# Altium PCB H7-Core.PcbDoc
Units mm, origin at the board's own origin, x right, y up, seen from the top; angles counter-clockwise.
Board outline 50 x 30 mm, 2 copper layers (Top Layer, Bottom Layer), stack 1.58 mm thick; 60 components, 102 nets, 422 pads, 203 vias.
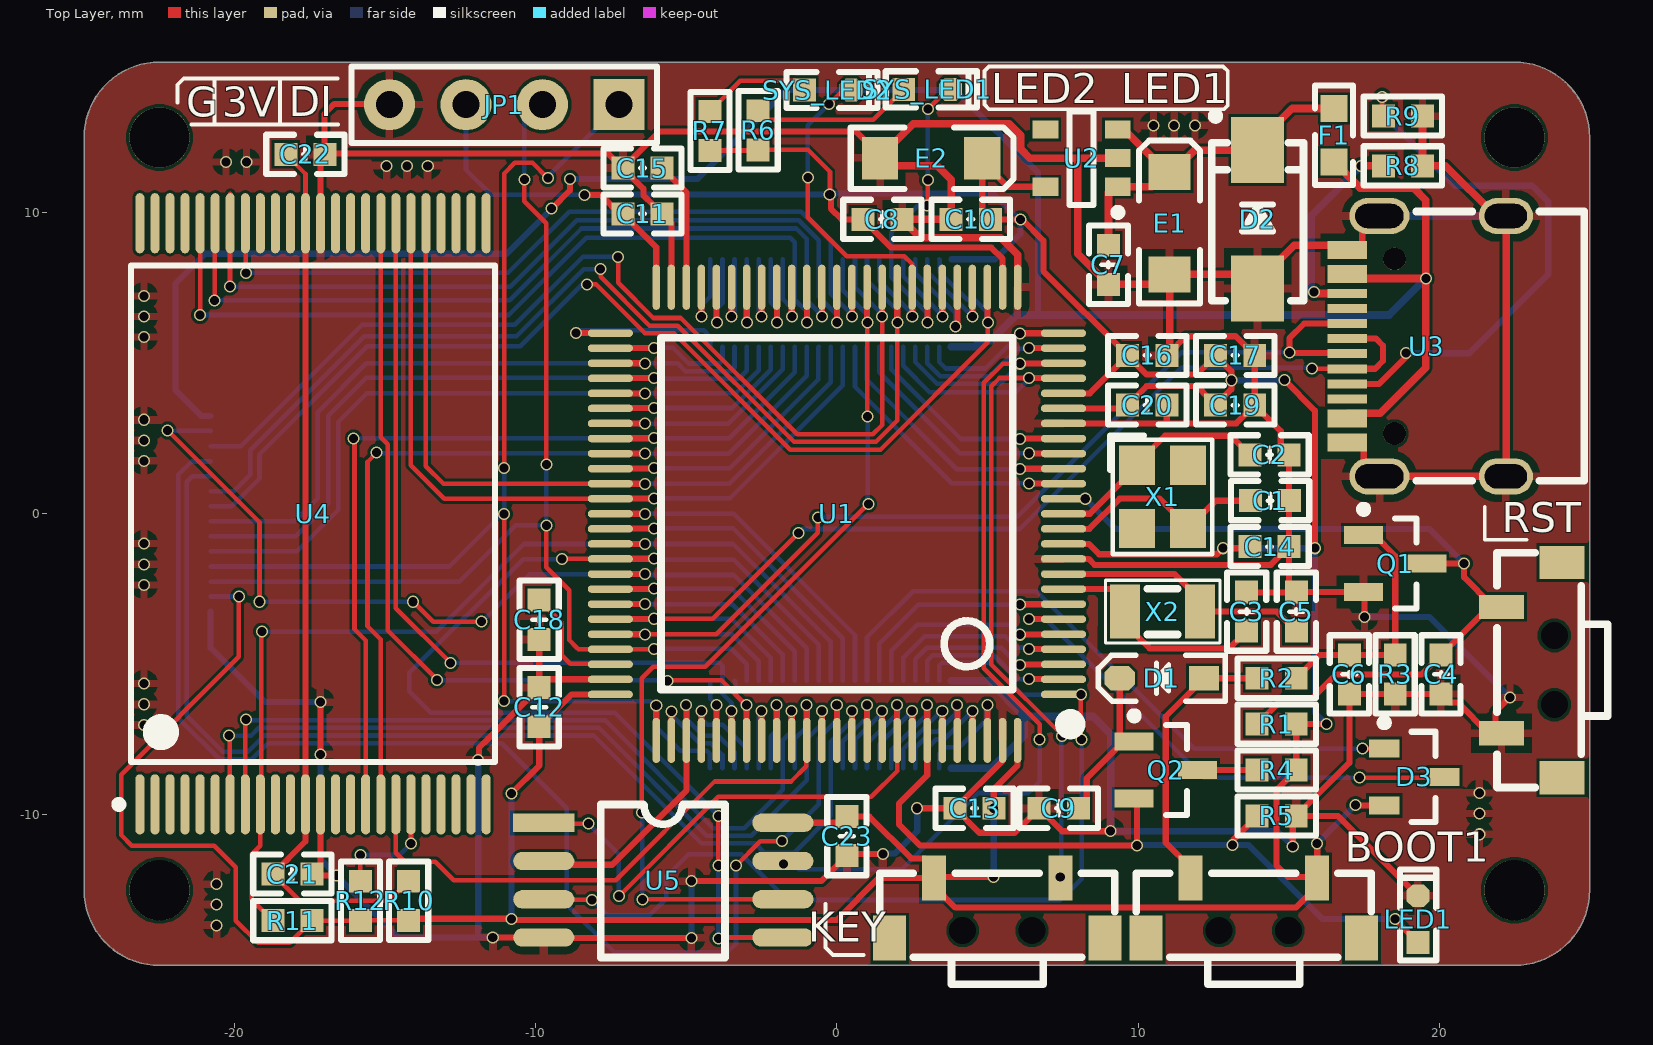
[diagram p0: Top Layer view]
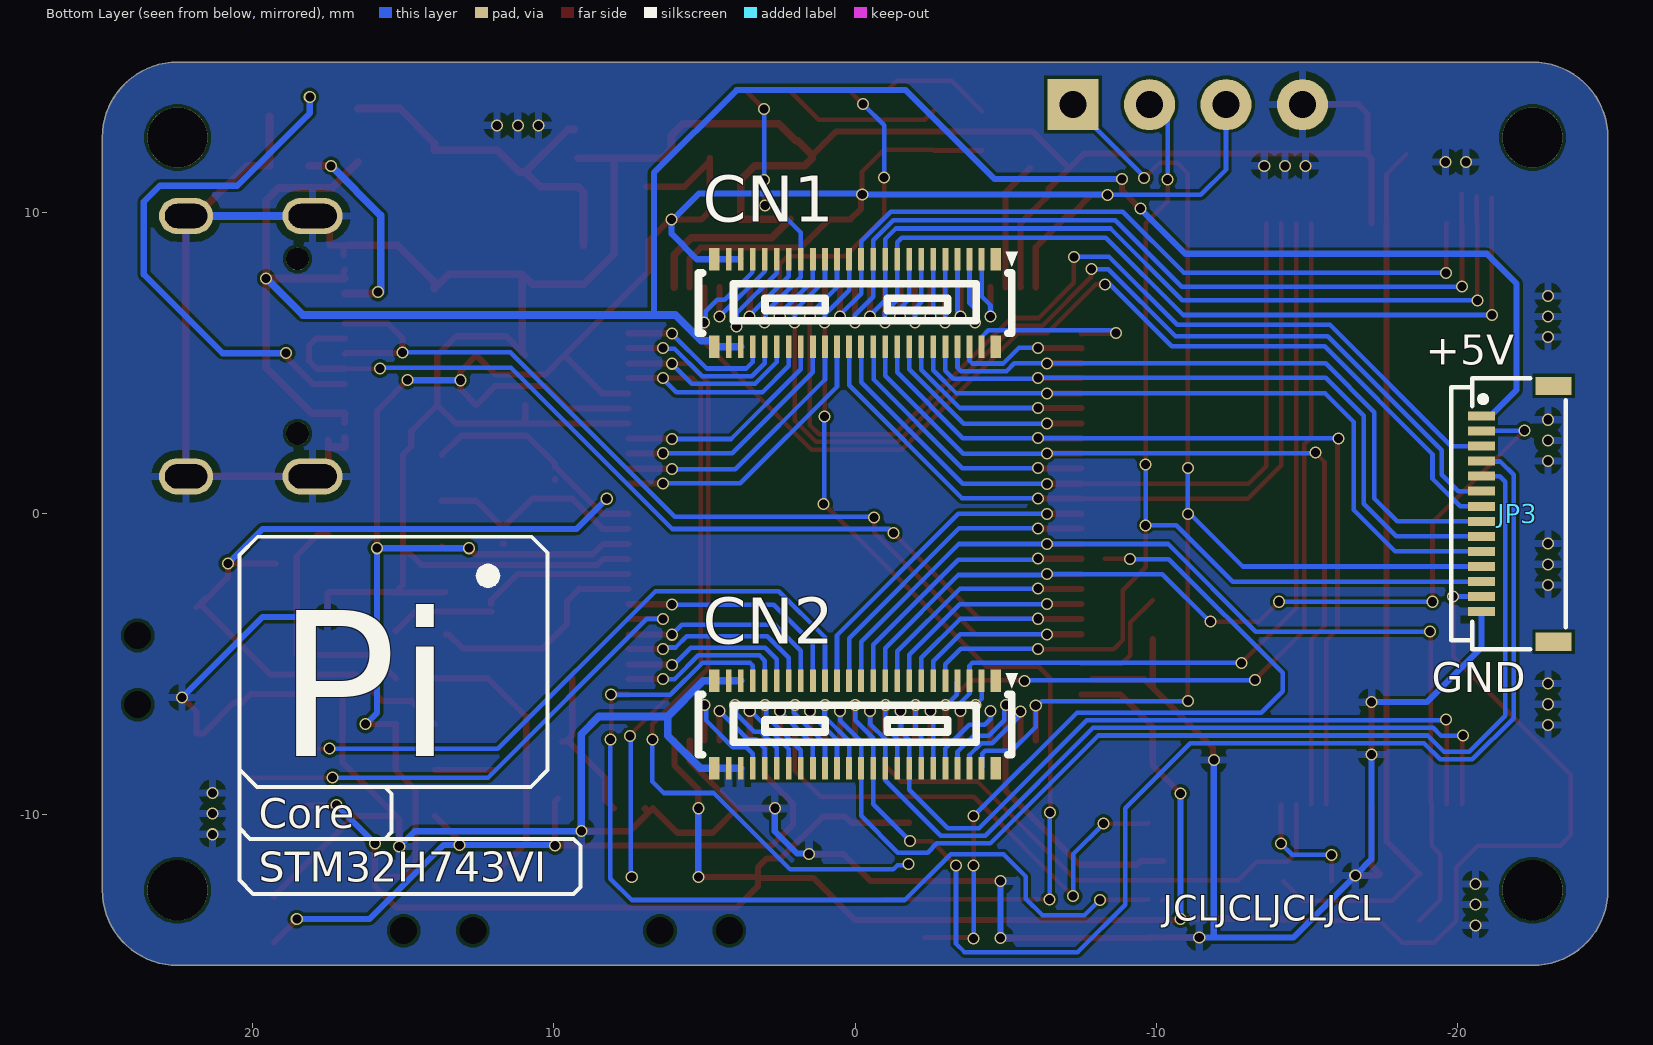
[diagram p1: Bottom Layer view, seen from below]

## Layer stack, top to bottom
Top Solder: solder mask 0.0102, Solder Resist, Dk 3.5
Top Layer: signal copper 0.0356
Dielectric 1: dielectric 1.5086, FR-4, Dk 4.8
Bottom Layer: signal copper 0.0356
Bottom Solder: solder mask 0.0102, Solder Resist, Dk 3.5

## Board outline
-25,-12.5 -25,12.5 cw(c-22.5,12.5) -22.5,15 22.5,15 cw(c22.5,12.5) 25,12.5 25,-12.5 cw(c22.5,-12.5) 22.5,-15 -22.5,-15 cw(c-22.5,-12.5)

## Design rules (kind name [scope] priority, off if disabled: settings)
Clearance [All] p1: gap=0.102 ignorepadtopadclearanceinfootprint=TRUE
HoleSize [All] p1: absolutevalues=TRUE maxlimit=20.32 minlimit=0.025 maxpercent=80.000 minpercent=20.000
HoleToHoleClearance [All] p1: gap=0.025 allowstackedmicrovias=TRUE
MinimumSolderMaskSliver [All] p1: minsoldermaskwidth=0.025
PolygonConnect [All] p1: connectstyle=Relief reliefconductorwidth=0.254 reliefentries=4 polygonreliefangle="90 Angle" airgapwidth=0.254
RoutingVias [All] p1: holewidth=0.3 width=0.4 viastyle="Through Hole" minholewidth=0.3 minwidth=0.4 maxholewidth=0.4 maxwidth=0.5
SilkToSilkClearance [All] p1: silktosilkclearance=0.025
SilkToSolderMaskClearance [IsPad] p1: minsilkscreentomaskgap=0.025 clearancetoexposedcopper=TRUE
SolderMaskExpansion [All] p1: expansion=0.102 istentingtop=FALSE
Width [All] p1: maxlimit=0.381 minlimit=0.152 preferedwidth=0.152
25 further rules are at their usual default settings.

## Components (designator, comment, footprint, x,y, rotation, side; value= is the part's Value field where it differs from the comment)
BOOT1 "3x6x5" "SW 3*6*4.3-S-W" 13.843,-13.843 r0 top locked
C1 "22pF" C0603_L 14.385,0.435 r180 top
C2 "22pF" C0603_L 14.37,1.959 r180 top
C3 "6pF" C0603_L 13.608,-3.248 r270 top
C4 "0.1uF" C0603_L 20.066,-5.334 r270 top
C5 "6pF" C0603_L 15.259,-3.248 r270 top
C6 "0.1uF" C0603_L 17.018,-5.334 r270 top
C7 "0.1uF" C0603_L 9.017,8.27 r90 top
C8 "0.1uF" C0603_L 1.509,9.779 r180 top
C9 "0.1uF" C0603_L 7.366,-9.779 r180 top
C10 "0.1uF" C0603_L 4.445,9.779 r0 top
C11 "0.1uF" C0603_L -6.458,9.96 r180 top
C12 "0.1uF" C0603_L -9.887,-6.423 r270 top
C13 "0.1uF" C0603_L 4.572,-9.779 r0 top
C14 "0.1uF" C0603_L 14.37,-1.089 r180 top
C15 "2.2uF" C0603_L -6.458,11.484 r0 top
C16 "1uF" C0603_L 10.306,5.261 r180 top
C17 "0.1uF" C0603_L 13.227,5.261 r180 top
C18 "2.2uF" C0603_L -9.887,-3.517 r90 top
C19 "2.2uF" C0603_L 13.227,3.61 r0 top
C20 "0.1uF" C0603_L 10.306,3.61 r0 top
C21 "0.1uF" C0603_L -18.085,-11.963 r180 top
C22 "0.1uF" C0603_L -17.653,11.938 r180 top
C23 "0.1uF" C0603_L 0.33,-10.704 r270 top
CN1 "DF40C-44DP-0.4V(51)" DF40C-44DP-0.4V 0,7 r0 bottom locked
CN2 "DF40C-44DP-0.4V(51)" DF40C-44DP-0.4V 0,-7 r0 bottom locked
D1 "1N4148" SOD-323 10.792,-5.461 r180 top
D2 "SS14" SMA 13.97,9.779 r90 top
D3 "BAT54C" SOT23-3L 19.177,-8.738 r0 top
E1 "10uF" C_3216 11.049,9.652 r270 top
E2 "10uF/16V" C_3216 3.126,11.811 r180 top
F1 "MSMD200-8V 1A" "FU 0603" 16.51,12.573 r90 top
JP1 "HDR-1X4" HDR2.54-LI-4P -11.049,13.589 r180 top
JP3 "FH34SRJ-14S-0.5SH(50)" FH34SRJ-14S-0.5SH(50) -22,0 r90 bottom locked
KEY "3x6x5" "SW 3*6*4.3-S-W" 5.327,-13.843 r0 top locked
LED1 "红色" LED0603_B 19.304,-13.462 r90 top
Q1 "SS8050" SOT23-3N 18.542,-1.651 r0 top
Q2 "SS8050" SOT23-3N 10.922,-8.509 r0 top
R1 "10K" R0603_L 14.605,-6.985 r180 top
R2 "10K" R0603_L 14.605,-5.461 r0 top
R3 "10K" R0603_L 18.542,-5.334 r90 top
R4 "1K" R0603_L 14.605,-8.509 r0 top
R5 "10K" R0603_L 14.605,-10.033 r0 top
R6 "1.2K" R0603_L -2.616,12.736 r270 top
R7 "1.2K" R0603_L -4.216,12.715 r270 top
R8 "5.1K" R0603_L 18.796,11.557 r0 top
R9 "5.1K" R0603_L 18.796,13.208 r180 top
R10 "0R" R0603_L -14.224,-12.852 r270 top
R11 "10K" R0603_L -18.085,-13.513 r180 top
R12 "10K" R0603_L -15.824,-12.852 r270 top
RST "3x6x5" "SW 3*6*4.3-S-W" 23.825,-5.189 r90 top locked
SYS_LED1 "红色" LED0603_G 2.997,14.097 r0 top
SYS_LED2 "绿色" LED0603_G -0.305,14.072 r0 top
U1 "STM32H743VIT6" LQFP-100 0,0 r90 top locked
U2 "SPX3819" SOT23-5L 8.128,11.811 r180 top
U3 "TYPE-C-31-M-12" TYPE-C-31-M-12 18.017,9.892 r90 top locked
U4 "MT29F4G08ABAEAWP:E" TSOP-48 -17.399,0 r90 top locked
U5 "W25Q128JVSIQ" SOIC-8W -5.766,-12.167 r0 top locked
X1 "25M" "OSC 3225-4P" 10.814,0.562 r270 top
X2 "32.768KHz" SMD3215-2P 10.814,-3.248 r180 top

## Footprints (in the part's own frame and the unit in brackets; to place one, negate y for a bottom-side part, rotate by r counter-clockwise, add the part's x,y. Pads: shape width x height; smd on the part's side, far side on the other; paste and mask are expansions set on the pad)
C0603_L [mil] "锟睫硷拷锟斤拷锟斤拷片锟斤拷锟斤拷"
  rect 30x30 smd: 1(-25.59,0) 2(25.59,0)
  silkscreen extent -51,-26 51,26, body extent -31,-16 32,16, height 33
C_3216 [mm] "A锟斤拷锟斤拷片锟斤拷锟斤拷锟?锟斤拷3.2mm锟斤拷锟斤拷1.6mm锟斤拷锟斤拷1.6mm"
  rect 1.2x1.4 smd: 1(-1.7,0) 2(1.7,0)
  silkscreen extent -2.74,-1.02 2.67,1.02, body extent -1.6,-0.8 1.6,0.8, height 1.63
DF40C-44DP-0.4V [mm]
  rect 0.19x0.75 smd: 1(-4.2,-1.455) 2(-4.2,1.455) 3(-3.8,-1.455) 4(-3.8,1.455) 5(-3.4,-1.455) 6(-3.4,1.455) 7(-3,-1.455) 8(-3,1.455) 9(-2.6,-1.455) 10(-2.6,1.455) 11(-2.2,-1.455) 12(-2.2,1.455) 13(-1.8,-1.455) 14(-1.8,1.455) 15(-1.4,-1.455) 16(-1.4,1.455) 17(-1,-1.455) 18(-1,1.455) 19(-0.6,-1.455) 20(-0.6,1.455) 21(-0.2,-1.455) 22(-0.2,1.455) 23(0.2,-1.455) 24(0.2,1.455) 25(0.6,-1.455) 26(0.6,1.455) 27(1,-1.455) 28(1,1.455) 29(1.4,-1.455) 30(1.4,1.455) 31(1.8,-1.455) 32(1.8,1.455) 33(2.2,-1.455) 34(2.2,1.455) 35(2.6,-1.455) 36(2.6,1.455) 37(3,-1.455) 38(3,1.455) 39(3.4,-1.455) 40(3.4,1.455) 41(3.8,-1.455) 42(3.8,1.455) 43(4.2,-1.455) 44(4.2,1.455)
  rect 0.35x0.75 smd: 45(4.675,-1.455) 46(4.675,1.455) 47(-4.675,1.455) 48(-4.675,-1.455)
  silkscreen extent -5.4,-1.7 5.2,1, body extent -5.16,-1.48 5.16,1.49, height 1.14
FH34SRJ-14S-0.5SH(50) [mm]
  rect 0.3x0.9 smd: 1(3.25,1.2) 2(2.75,1.2) 3(2.25,1.2) 4(1.75,1.2) 5(1.25,1.2) 6(0.75,1.2) 7(0.25,1.2) 8(-0.25,1.2) 9(-0.75,1.2) 10(-1.25,1.2) 11(-1.75,1.2) 12(-2.25,1.2) 13(-2.75,1.2) 14(-3.25,1.2)
  rect 0.6x1.2 smd: 15(-4.25,-1.2) 16(4.25,-1.2)
  silkscreen extent -4.5,-1.6 4.5,2.2, body extent -4.5,-1.8 4.5,2, height 1
"FU 0603" [mil]
  rect 35x35 smd: 1(-35,0) 2(35,0)
  silkscreen extent -65,-25 65,25, body extent -31,-16 32,16, height 20
HDR2.54-LI-4P [mm]
  rect 1.7x1.7 hole 0.9: 1(-3.81,0)
  round 1.7 hole 0.9: 2(-1.27,0) 3(1.27,0) 4(3.81,0)
  silkscreen extent -5.08,-1.27 5.08,1.27, body extent -5.08,-1.27 5.08,1.27, height 2.54
LED0603_B [mil] "锟斤拷色0603LED"
  rect 30x30 smd: 1(-30.59,0)
  oct 30x30 smd: 2(30.59,0)
  silkscreen extent -54,-24 65,24, body extent -32,-16 31,16, height 24
LED0603_G [mil] "锟斤拷色0603LED"
  rect 30x30 smd: 1(-30.59,0)
  oct 30x30 smd: 2(30.59,0)
  silkscreen extent -54,-24 65,24, body extent -32,-16 31,16, height 24
LQFP-100 [mm]
  oval 0.25x1.5 smd: 1(-6,-7.525) 2(-5.5,-7.525) 3(-5,-7.525) 4(-4.5,-7.525) 5(-4,-7.525) 6(-3.5,-7.525) 7(-3,-7.525) 8(-2.5,-7.525) 9(-2,-7.525) 10(-1.5,-7.525) 11(-1,-7.525) 12(-0.5,-7.525) 13(0,-7.525) 14(0.5,-7.525) 15(1,-7.525) 16(1.5,-7.525) 17(2,-7.525) 18(2.5,-7.525) 19(3,-7.525) 20(3.5,-7.525) 21(4,-7.525) 22(4.5,-7.525) 23(5,-7.525) 24(5.5,-7.525) 25(6,-7.525) 51(6,7.525) 52(5.5,7.525) 53(5,7.525) 54(4.5,7.525) 55(4,7.525) 56(3.5,7.525) 57(3,7.525) 58(2.5,7.525) 59(2,7.525) 60(1.5,7.525) 61(1,7.525) 62(0.5,7.525) 63(0,7.525) 64(-0.5,7.525) 65(-1,7.525) 66(-1.5,7.525) 67(-2,7.525) 68(-2.5,7.525) 69(-3,7.525) 70(-3.5,7.525) 71(-4,7.525) 72(-4.5,7.525) 73(-5,7.525) 74(-5.5,7.525) 75(-6,7.525)
  oval 1.5x0.25 smd: 26(7.525,-6) 27(7.525,-5.5) 28(7.525,-5) 29(7.525,-4.5) 30(7.525,-4) 31(7.525,-3.5) 32(7.525,-3) 33(7.525,-2.5) 34(7.525,-2) 35(7.525,-1.5) 36(7.525,-1) 37(7.525,-0.5) 38(7.525,0) 39(7.525,0.5) 40(7.525,1) 41(7.525,1.5) 42(7.525,2) 43(7.525,2.5) 44(7.525,3) 45(7.525,3.5) 46(7.525,4) 47(7.525,4.5) 48(7.525,5) 49(7.525,5.5) 50(7.525,6) 76(-7.525,6) 77(-7.525,5.5) 78(-7.525,5) 79(-7.525,4.5) 80(-7.525,4) 81(-7.525,3.5) 82(-7.525,3) 83(-7.525,2.5) 84(-7.525,2) 85(-7.525,1.5) 86(-7.525,1) 87(-7.525,0.5) 88(-7.525,0) 89(-7.525,-0.5) 90(-7.525,-1) 91(-7.525,-1.5) 92(-7.525,-2) 93(-7.525,-2.5) 94(-7.525,-3) 95(-7.525,-3.5) 96(-7.525,-4) 97(-7.525,-4.5) 98(-7.525,-5) 99(-7.525,-5.5) 100(-7.525,-6)
  silkscreen extent -7.23,-8 5.84,5.84, body extent -8,-8 8,8, height 1.45
"OSC 3225-4P" [mm]
  rect 1.3x1.2 smd: 1(-1.05,-0.85) 2(1.05,-0.85) 3(1.05,0.85) 4(-1.05,0.85)
  silkscreen extent -2.03,-1.75 1.91,1.65, body extent -1.6,-1.25 1.6,1.25, height 0.7
R0603_L [mil] "1/10W锟斤拷片锟斤拷锟斤拷"
  rect 30x30 smd: 1(-25.59,0) 2(25.59,0)
  silkscreen extent -51,-26 51,26, body extent -31,-16 32,16, height 16
SMA [mm] "4.5x2.6*2.2mm锟斤拷锟斤拷锟斤拷撸锟斤拷锟斤拷锟斤拷锟斤拷锟斤拷牛锟絴SOURCECOMPLIBIDENTIFIERKIND=2"
  rect 2.2x1.75 smd: 1(-2.3,0) 2(2.3,0)
  silkscreen extent -2.7,-1.52 3.56,1.52, body extent -2.55,-1.3 2.55,1.3, height 2.15
SMD3215-2P [mm]
  rect 1x1.8 smd: 1(-1.25,0) 2(1.25,0)
  silkscreen extent -1.91,-1.04 1.9,1.04, body extent -1.55,-0.8 1.65,0.7, height 0.61
SOD-323 [mm] "1.8x1.3X0.9mm锟斤拷锟斤拷锟斤拷撸锟斤拷锟斤拷锟斤拷锟斤拷锟斤拷牛锟絴SOURCECOMPLIBIDENTIFIERKIND=2"
  rect 1x0.8 smd: 1(-1.4,0)
  oct 1x0.8 smd: 2(1.4,0)
  silkscreen extent -2.11,-0.76 2.11,0.76, body extent -1.32,-0.65 1.32,0.65, height 0.95
SOIC-8W [mil]
  rect 80x24 smd: 1(-156.3,75)
  oval 80x24 smd: 2(-156.3,25) 3(-156.3,-25) 4(-156.3,-75) 5(156.3,-75) 6(156.3,-25) 7(156.3,25) 8(156.3,75)
  silkscreen extent -82,-101 81,99, body extent -155,-104 155,104, height 75
SOT23-3L [mm]
  rect 1x0.6 smd: 1(-1,0.95) 2(-1,-0.95) 3(1,0)
  silkscreen extent -1.12,-1.5 0.7,1.92, body extent -1.2,-1.5 1.2,1.5, height 1.05
SOT23-3N [mm]
  rect 1.3x0.6 smd: 1(-1.05,0.95) 2(-1.05,-0.95) 3(1.05,0)
  silkscreen extent -1.17,-1.5 0.7,1.92, body extent -1.2,-1.5 1.2,1.5, height 1.05
SOT23-5L [mm] "SOT23, 5-Leads, Body 2.9x1.6mm, Pitch 0.95mm, IPC High Density"
  rect 0.85x0.6 smd: 1(-1.2,0.95) 2(-1.2,0) 3(-1.2,-0.95) 4(1.2,-0.95) 5(1.2,0.95)
  silkscreen extent -1.33,-1.55 0.4,1.92, body extent -1.4,-1.5 1.4,1.5, height 1.15
"SW 3*6*4.3-S-W" [mm]
  rect 1.1x1.5 smd: 0(-3.575,-0.25) 0(3.575,-0.25)
  round 0 hole 0.9: 0(-1.15,0) 0(1.15,0)
  rect 0.8x1.5 smd: 1(2.1,1.75) 2(-2.1,1.75)
  silkscreen extent -3.9,-1.78 3.9,1.91, body extent -3.9,-1.79 3.9,1.91, height 3.51
TSOP-48 [mm]
  oval 2x0.3 smd: 1(-9.65,5.75) 2(-9.65,5.25) 3(-9.65,4.75) 4(-9.65,4.25) 5(-9.65,3.75) 6(-9.65,3.25) 7(-9.65,2.75) 8(-9.65,2.25) 9(-9.65,1.75) 10(-9.65,1.25) 11(-9.65,0.75) 12(-9.65,0.25) 13(-9.65,-0.25) 14(-9.65,-0.75) 15(-9.65,-1.25) 16(-9.65,-1.75) 17(-9.65,-2.25) 18(-9.65,-2.75) 19(-9.65,-3.25) 20(-9.65,-3.75) 21(-9.65,-4.25) 22(-9.65,-4.75) 23(-9.65,-5.25) 24(-9.65,-5.75) 25(9.65,-5.75) 26(9.65,-5.25) 27(9.65,-4.75) 28(9.65,-4.25) 29(9.65,-3.75) 30(9.65,-3.25) 31(9.65,-2.75) 32(9.65,-2.25) 33(9.65,-1.75) 34(9.65,-1.25) 35(9.65,-0.75) 36(9.65,-0.25) 37(9.65,0.25) 38(9.65,0.75) 39(9.65,1.25) 40(9.65,1.75) 41(9.65,2.25) 42(9.65,2.75) 43(9.65,3.25) 44(9.65,3.75) 45(9.65,4.25) 46(9.65,4.75) 47(9.65,5.25) 48(9.65,5.75)
  silkscreen extent -9.77,-6.05 8.25,6.57, body extent -10.1,-6.05 10,6.05, height 1.25
TYPE-C-31-M-12 [mm]
  oval 1.2x1.8 hole 0.8 slot 1.4 at 90 deg: 0(-8.65,-4.2) 0(0,-4.2)
  oval 1.2x2 hole 0.8 slot 1.6 at 90 deg: 0(-8.65,0) 0(0,0)
  rect 0.3x1.3 smd: A1(-7.675,1.068) A4(-6.875,1.068) A5(-5.575,1.068) A6(-4.575,1.068) A7(-4.075,1.068) A8(-3.075,1.068) A9(-1.775,1.068) A12(-0.975,1.069) B1(-1.275,1.069) B4(-2.075,1.068) B5(-2.575,1.068) B6(-3.575,1.068) B7(-5.075,1.068) B8(-6.075,1.068) B9(-6.575,1.068) B12(-7.375,1.068)
  round 0.75 hole 0.75 unplated: ""(-7.225,-0.5) ""(-1.425,-0.5)
  silkscreen extent -8.79,-6.8 0.15,-1.22, body extent -8.79,-6.8 0.15,0.95, height 3.21

## Part data
BOOT1 KEY RST: library part SW-PB, "微动开关", BOM名称=3x6轻触开关, 联系卖家，免费查找封装=唯一出售店铺网址https://shop463601444.taobao.com
C1 C2 C3 C4 C5 C6 C7 C8 C9 C10 C11 C12 C13 C14 C15 C16 C17 C18 C19 C20 C21 C22 C23: library part C, "贴片电容", BOM名称=无极性贴片电容, 封装库来自淘宝卖家ID：黄晶宝石=其他店铺购入均为盗版假冒封装库，请立即申请退款, 联系卖家，免费查找封装=唯一出售店铺网址https://shop463601444.taobao.com
CN1 CN2: "公座", BOM_JLCPCB Part Class="Extended Part", BOM_Manufacturer=HRS(广濑), BOM_Manufacturer Part=DF40C-40DP-0.4V(51), BOM_Supplier=LCSC, BOM_Supplier Part=C424643, Contributor=LCSC, spicePre=C, spiceSymbolName=DF40C-40DP-0.4V(51)
D1: "开关二极管", BOM名称=高速开关二极管, 联系卖家，免费查找封装=唯一出售店铺网址https://shop463601444.taobao.com
D2: "肖特基二极管", BOM名称=肖特基二极管, 属性=40V/1A, 联系卖家，免费查找封装=唯一出售店铺网址https://shop463601444.taobao.com
D3: "两路肖特基二极管"
E1 E2: library part CT, "C7171", BOM名称=贴片钽电容, 封装库来自淘宝卖家ID：黄晶宝石=其他店铺购入均为盗版假冒封装库，请立即申请退款, 联系卖家，免费查找封装=唯一出售店铺网址https://shop463601444.taobao.com
F1: library part FU, "贴片保险丝", BOM名称=贴片保险丝, 联系卖家，免费查找封装=唯一出售店铺网址https://shop463601444.taobao.com
JP1: library part "Header 4", "4P接插件", BOM名称=4P接插件, 封装库来自淘宝卖家 ID：黄晶宝石=其他店铺购入均为盗版假冒封装库, 联系卖家，免费查找封装=唯一出售店铺网址https://shop463601444.taobao.com
JP3: "C324724"
LED1: library part LED-SMD, "贴片LED", BOM名称=贴片LED, 封装库来自淘宝卖家 ID：黄晶宝石=其他店铺购入均为假冒，请立即申请退款，本店奖励现金5~20元
Q1 Q2: library part 8050-SMD, "高频放大-NPN型", BOM名称=高频放大-NPN型, 参数="40V 1.5A 1W 100MHZ", 封装库来自淘宝卖家 ID：黄晶宝石=其他店铺购入均为盗版，不享受售后技术支持服务，请立即申请退款, 联系卖家，免费查找封装=唯一出售店铺网址https://shop463601444.taobao.com
R1 R2 R3 R4 R5 R6 R7 R8 R9 R10 R11 R12: library part R, "贴片电阻", BOM名称=贴片电阻, 封装库来自淘宝卖家ID：黄晶宝石=其他店铺购入均为盗版假冒封装库，请立即申请退款, 联系卖家，免费查找封装=唯一出售店铺网址https://shop463601444.taobao.com
SYS_LED1: library part LED-SMD, "C2286", BOM名称=贴片LED, 封装库来自淘宝卖家 ID：黄晶宝石=其他店铺购入均为假冒，请立即申请退款，本店奖励现金5~20元
SYS_LED2: library part LED-SMD, "C72043", BOM名称=贴片LED, 封装库来自淘宝卖家 ID：黄晶宝石=其他店铺购入均为假冒，请立即申请退款，本店奖励现金5~20元
U4: "C496612", BOM_JLCPCB Part Class="Extended Part", BOM_Manufacturer=micron(镁光), BOM_Manufacturer Part=MT29F4G08ABAEAWP:E, BOM_Supplier=LCSC, BOM_Supplier Part=C496612, Contributor=LCSC, spicePre=U, spiceSymbolName=MT29F4G08ABAEAWP:E
U5: library part W25Q128, "SPI FLASH", 封装库来自 淘宝卖家 ID：黄晶宝石=其他店铺购入均为盗版假冒封装库，请立即申请退款
X1: library part XTAL-4P, "4脚无源晶振", BOM名称=4脚无源晶振, 联系卖家，免费查找封装=唯一出售店铺网址https://shop463601444.taobao.com
X2: "立创商城:C48615", BOM_JLCPCB Part Class="Extended Part", BOM_Manufacturer=EPSON, BOM_Manufacturer Part=Q13FC1350000200, BOM_Supplier=LCSC, BOM_Supplier Part=C48615, nameAlias=Frequency, spicePre=X, spiceSymbolName=Q13FC1350000200

## Free pads (board coordinates)
  round 2 hole 2 unplated: 0(-22.5,-12.5) 0(-22.5,12.5) 0(22.5,-12.5) 0(22.5,12.5)

## Via types
v1: diameter 0.4, hole 0.3, Top Layer to Bottom Layer, 203 vias

## Nets (pads, with @x,y where several pads share a name; then routed paths per layer and width w, separated by ;. In a path a pad name is that pad's centre, name@x,y a point inside that pad or via, vN(x,y) a via of type N, cw(c..) or ccw(c..) an arc to the next point about the centre after c; other vN are vias at no path point)
3V3: BOOT1.1 C8.2 C10.2 C11.2 C12.2 C13.2 C14.2 C16.2 C17.2 C19.1 C20.1 C23.1 CN1.41 CN1.43 CN1.45 D3.2 E2.1 JP1.3 JP3.13 KEY.2 R1.1 R4.2 R6.2 R7.2 R10.2 R11.1 R12.2 U1.11 U1.20 U1.21 U1.27 U1.50 U1.75 U1.100 U2.5 U5.8 | length 179.4
  Top Layer w0.152: v1(-19.863,-2.743) -19.863,-4.75 -23.774,-8.661 -23.774,-10.668 -23.419,-11.024 -20.676,-11.024 -19.964,-11.735 -19.964,-13.513 -19.228,-14.249 -18.171,-14.249 R11.1 -15.835,-13.513 R12.2 R10.2 ; R7.2 -2.637,12.065 R6.2 -0.961,12.086 -0.229,11.354 -0.229,10.617 v1(-0.238,10.608)
  Top Layer w0.203: R10.2 -14.171,-13.449 v1(-10.808,-13.449) -10.773,-13.484 0.003,-13.484 1.394,-12.093 KEY.2 ; v1(-10.808,-9.284) -9.887,-8.363 C12.2 -8.814,-6 U1.75 ; v1(-8.382,10.592) -7.848,10.592 -7.162,9.906 C11.2 -6,8.852 U1.50 ; U5.8 0.122,-10.262 C23.1 1.074,-10.054 2.465,-11.445 2.929,-11.445 3.227,-11.743 KEY.2@3.227,-12.065 ; v1(-0.238,10.608) -0.2,10.57 -0.2,10.134 0.155,9.779 C8.2 1.799,8.839 5.131,8.839 5.5,8.47 U1.27 ; E2.1 E2.1@4.826,11.711 ; v1(5.207,-12.065) KEY.2@3.227,-12.065 ; v1(5.207,-9.779) 5.207,-9.144 6,-8.351 U1.100 ; U2.5 5.676,10.861 E2.1@4.826,11.711 ; U1.11 8.366,-1 8.707,-1.341 12.629,-1.341 v1(12.827,-1.143) 13.666,-1.143 C14.2 ; U1.20 9.546,3.5 C20.1 10.291,4.245 11.957,4.245 12.154,4.048 12.154,4.033 C19.1 13.1,4.133 v1(13.1,4.436) 13.1,4.738 C17.2 11.942,4.626 10.291,4.626 C16.2 ; U1.21 8.395,4 C16.2 ; v1(14.859,4.445) 15.875,3.429 v1(15.875,-1.143) ; v1(15.951,-10.947) 15.951,-12.029 BOOT1.1@15.915,-12.065 ; v1(16.256,-6.985) R1.1 R4.2 14.605,-9.159 14.605,-11.684 14.986,-12.065 BOOT1.1@15.915,-12.065 ; v1(17.221,-9.677) 17.231,-9.688 D3.2 ; KEY.2 KEY.2@3.227,-12.065 ; KEY.2 3.227,-12.371 3.937,-13.081 15.24,-13.081 15.943,-12.378 BOOT1.1 BOOT1.1@15.915,-12.065 ; E2.1@4.826,11.711 4.826,10.048 C10.2 v1(6.096,9.779) 6.147,9.779 6.858,9.068 6.858,8.059 C16.2
  Bottom Layer w0.152: JP3.13 -20.797,-2.747 -19.866,-2.747 v1(-19.863,-2.743) ; JP1.3@-12.776,13.614 -12.319,13.157 -12.319,11.43 -11.481,10.592 v1(-8.382,10.592)
  Bottom Layer w0.203: v1(-10.808,-13.449) v1(-10.808,-9.284) ; v1(-8.382,10.592) -8.369,10.604 -0.241,10.604 v1(-0.238,10.608) -0.209,10.636 5.188,10.636 6.045,9.779 v1(6.096,9.779) 6.096,9.296 5.255,8.455 CN1.45 4.243,8.455 CN1.43 CN1.41 ; v1(5.207,-12.065) v1(5.207,-9.779) ; v1(12.827,-1.143) v1(15.875,-1.143) 15.875,-6.604 v1(16.256,-6.985) ; v1(13.1,4.436) 14.85,4.436 v1(14.859,4.445) ; v1(15.951,-10.947) v1(17.221,-9.677)
+5: CN1.42 CN1.44 CN1.46 F1.1 JP3.1 U3.A4 U3.A9 U3.B4 U3.B9 | length 74.9
  Top Layer w0.203: v1(-9.474,10.135) -8.865,10.744 v1(-8.865,11.125) ; U3.A4 U3.B9 ; U3.A9 16.993,8.073 U3.B4@16.993,7.817
  Top Layer w0.254: F1.1 17.374,10.82 19.152,10.82 19.558,10.414 v1(19.558,7.817) ; U3.B9 16.971,3.34 18.046,3.34 19.558,4.851 v1(19.558,7.817) ; U3.B4 16.993,7.817 v1(19.558,7.817)
  Bottom Layer w0.203: JP3.1 -21.106,3.25 -21.971,4.115 -21.971,7.645 -20.98,8.636 -10.973,8.636 v1(-9.474,10.135) ; v1(-8.865,11.125) -4.626,11.125 -1.68,14.072 3.937,14.072 6.68,11.328 6.68,6.604 6.68,6.579
  Bottom Layer w0.254: CN1.42 CN1.46 4.675,5.745 5.11,5.745 5.969,6.604 6.68,6.604 18.345,6.604 v1(19.558,7.817)
BLK: CN2.17 JP3.2 U1.67 | length 30.7
  Top Layer w0.152: v1(-22.225,2.769) -19.177,-0.279 v1(-19.177,-2.921) ; v1(-14.072,-2.921) -13.411,-3.581 v1(-11.811,-3.581)
  Top Layer w0.203: U1.67 v1@-6.381,-2
  Bottom Layer w0.152: v1(-22.225,2.769) -22.216,2.759 -20.809,2.759 JP3.2 ; v1(-19.177,-2.921) v1(-14.072,-2.921) ; v1(-11.811,-3.581) -11.786,-3.581 -10.207,-2.003 v1(-6.378,-2.003) -6.349,-2.032 -3.429,-2.032 -1,-4.461 CN2.17
BOOT0: CN2.32 LED1.1 Q2.2 R5.1 U1.94 | length 28.7
  Top Layer w0.203: v1@3,-6.362 U1.94 3,-8.684 2.065,-9.619 2.065,-10.32 2.767,-11.022 v1(9.97,-11.022) 9.97,-9.556 Q2.2 ; v1(13.139,-11.003) 13.176,-10.965 13.176,-10.812 R5.1 ; v1(18.542,-13.462) 18.542,-13.477 LED1.1
  Bottom Layer w0.152: CN2.32 1.8,-7.852 2.947,-6.705 2.947,-6.403 v1(2.994,-6.356)
  Bottom Layer w0.203: v1(9.97,-11.022) 9.988,-11.003 v1(13.139,-11.003) 13.67,-11.003 16.129,-13.462 v1(18.542,-13.462)
ESP_POW: CN1.10 JP3.10 U1.55 | length 24.3
  Top Layer w0.203: U1.55 v1@-6.381,4
  Bottom Layer w0.152: JP3.10 -17.938,-1.25 -16.561,0.127 -16.561,3.048 -15.612,3.997 v1(-6.378,3.997) -3.369,3.997 -2.6,4.766 CN1.10
FMC_ALE: CN1.18 U1.59 U4.17 | length 29.5
  Top Layer w0.152: v1(-15.294,2.032) -15.294,2.019 -15.59,1.722 -15.59,-3.734 -15.149,-4.175 U4.17
  Top Layer w0.203: U1.59 v1@-6.381,2
  Bottom Layer w0.152: v1(-15.294,2.032) -15.277,2.015 v1@-6.378,2.015 ; v1(-6.378,1.997) -3.591,1.997 -1,4.588 CN1.18
FMC_CLE: CN1.16 U1.58 U4.16 | length 31.6
  Top Layer w0.152: v1(-16.05,2.502) -16.022,2.474 -16.022,-3.836 -15.649,-4.209 U4.16
  Top Layer w0.203: U1.58@-7.522,2.509 v1@-6.079,2.509 ; U1.58@-7.519,2.506 v1@-6.076,2.506
  Bottom Layer w0.152: v1(-16.05,2.502) -16.037,2.515 v1(-6.073,2.515) -3.581,2.515 -1.4,4.696 CN1.16
FMC_D0: CN1.22 U1.61 U4.29 | length 24.3
  Top Layer w0.152: U4.29 -13.649,1.584 -13.065,1 U1.61@-7.596,1
  Top Layer w0.203: U1.61 v1@-6.381,1
  Bottom Layer w0.152: v1(-6.378,0.997) -3.575,0.997 -0.2,4.372 CN1.22
FMC_D1: CN1.24 U1.62 U4.30 | length 25.6
  Top Layer w0.152: U4.30 -14.149,1.606 -13.043,0.5 U1.62@-7.602,0.5 ; U1.62@-7.531,0.5 U1.62@-7.522,0.509
  Top Layer w0.203: U1.62@-7.522,0.509 v1@-6.079,0.509
  Bottom Layer w0.152: v1(-6.073,0.515) -3.549,0.515 0.2,4.264 CN1.24
FMC_D2: CN2.3 U1.81 U4.31 | length 27
  Top Layer w0.152: U4.31 -14.649,-3.131 v1(-12.827,-4.953)
  Top Layer w0.203: U1.81 v1@-3.5,-6.557
  Bottom Layer w0.152: v1(-12.827,-4.953) -3.889,-4.953 -3.8,-5.042 CN2.3 -3.8,-5.979 -3.502,-6.277 v1(-3.502,-6.555)
FMC_D3: CN2.5 U1.82 U4.32 | length 28.7
  Top Layer w0.152: U4.32 -15.149,2.545 -14.916,2.312 -14.916,-3.875 v1(-13.279,-5.512) ; v1(-5.621,-5.555) -5.597,-5.53 -3.832,-5.53 v1(-3.006,-6.356)
  Top Layer w0.203: U1.82 v1@-3,-6.362
  Bottom Layer w0.152: v1@-13.279,-5.533 -5.643,-5.533 v1(-5.621,-5.555) ; CN2.5 -3.381,-5.564 -3.381,-6.017 -3.042,-6.356 v1(-3.006,-6.356)
FMC_D4: CN1.21 U1.37 U4.41 | length 26.1
  Top Layer w0.152: U4.41 -19.639,9.64 -19.639,8.011 v1(-19.629,8.001)
  Top Layer w0.203: v1@0.5,6.557 U1.37
  Bottom Layer w0.152: v1(-19.629,8.001) -10.922,8.001 -8.89,10.033 -1.187,10.033 -0.2,9.046 CN1.21 -0.2,7.312 0.502,6.61 v1(0.502,6.555)
FMC_D5: CN1.19 U1.38 U4.42 | length 28
  Top Layer w0.152: v1(-20.162,7.544) -20.156,7.55 -20.156,9.643 U4.42 U4.42@-20.149,10.63
  Top Layer w0.203: v1@0.004,6.358 U1.38@0.004,7.521
  Bottom Layer w0.152: v1@-20.159,7.544 -10.846,7.544 -8.636,9.754 -1.266,9.754 -0.6,9.087 CN1.19 -0.6,7.204 0.01,6.594 v1(0.01,6.352)